# Altium PCB 农联网PCB.PcbDoc
Units mil, origin at the board's own origin, x right, y up, seen from the top; angles counter-clockwise.
Board outline 3779.53 x 2385.83 mil, 2 copper layers (Top Layer, Bottom Layer); 97 components, 101 nets, 412 pads, 55 vias.
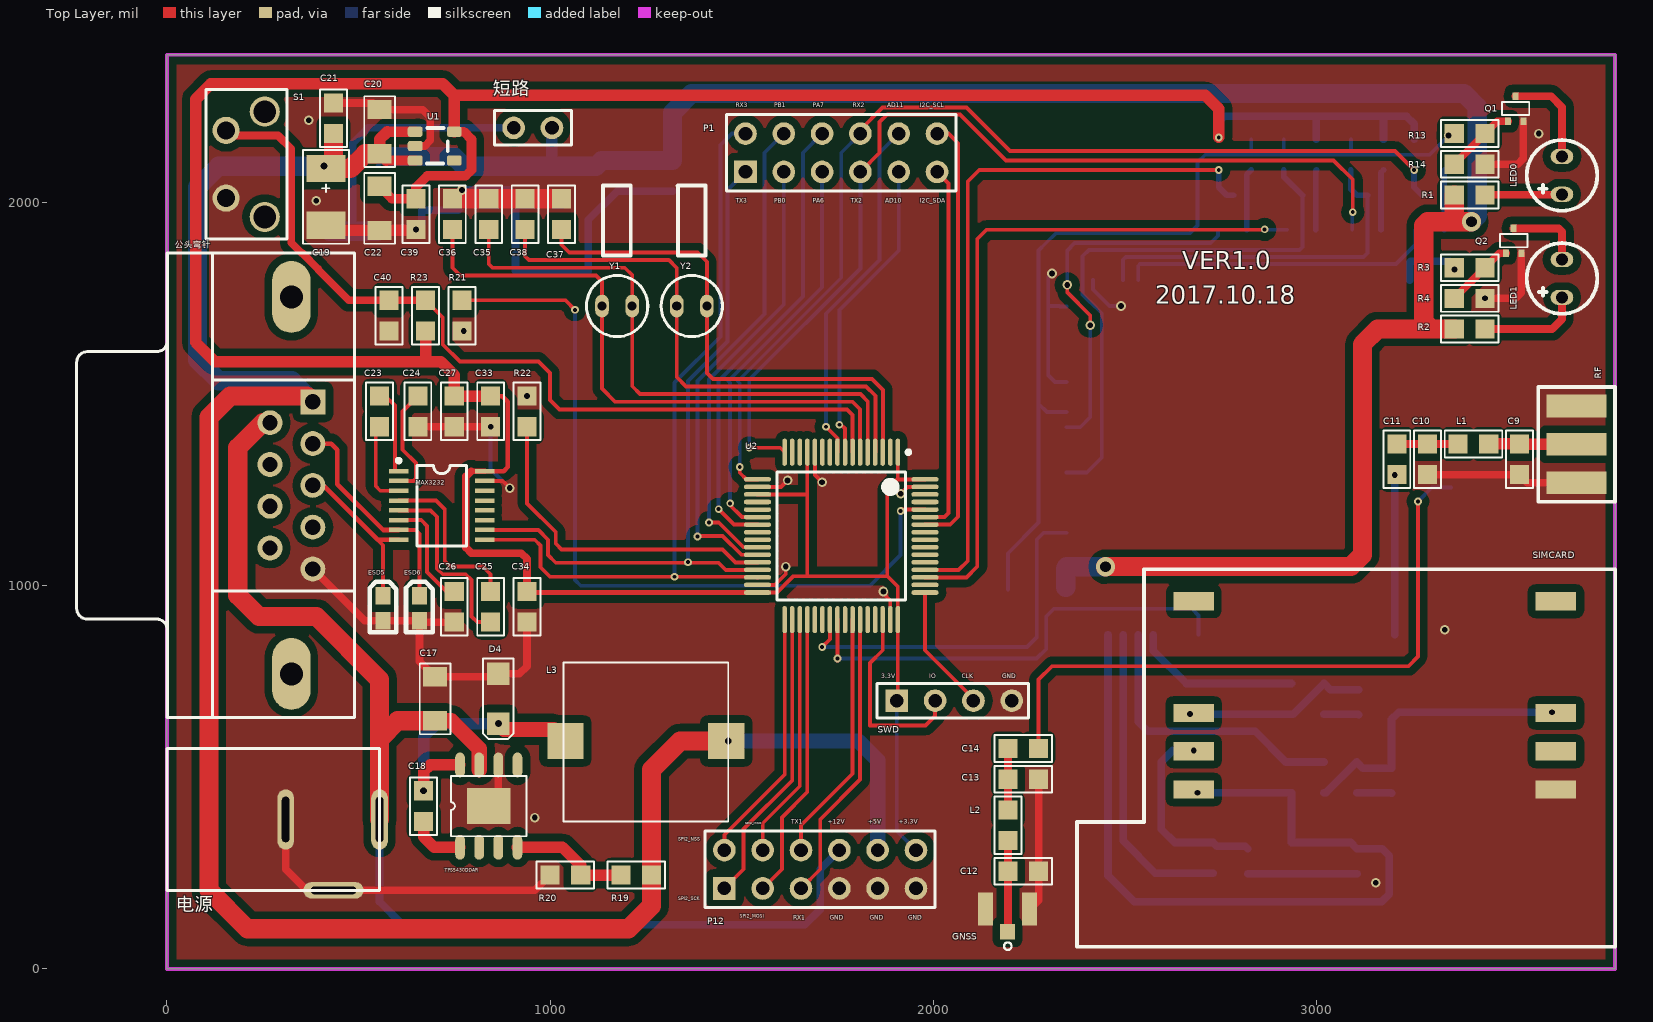
[diagram p0: Top Layer view]
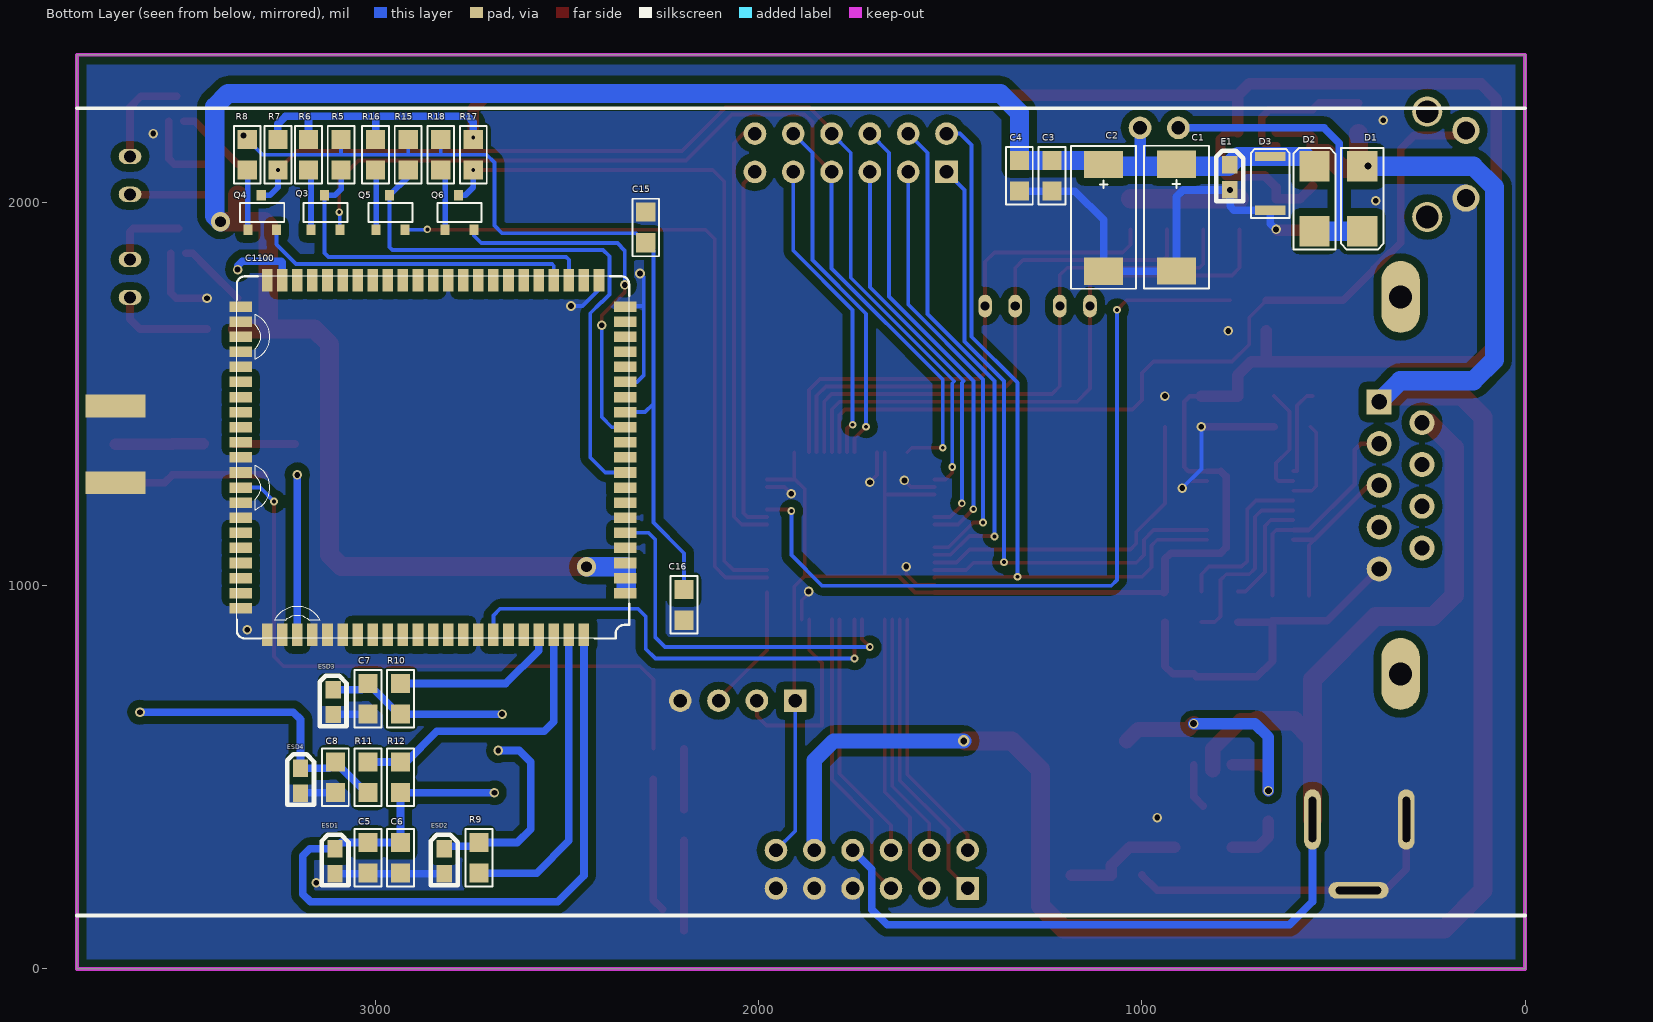
[diagram p1: Bottom Layer view, seen from below]

## Layer stack, top to bottom
Top Solder: solder mask 0.4, Solder Resist, Dk 3.5
Top Layer: signal copper 1.4
Dielectric 1: dielectric 12.6, FR-4, Dk 4.8
Bottom Layer: signal copper 1.4
Bottom Solder: solder mask 0.4, Solder Resist, Dk 3.5

## Board outline
0,0 3779.53,0 3779.53,2385.83 0,2385.83

## Design rules (kind name [scope] priority, off if disabled: settings)
Clearance GND [InPolygon] p1: gap=20 ignorepadtopadclearanceinfootprint=FALSE
Clearance STM32 [InComponent('U2','MicroUSB')] p2: gap=1 ignorepadtopadclearanceinfootprint=FALSE
Clearance [All] p3: gap=8 ignorepadtopadclearanceinfootprint=FALSE
ComponentClearance [All] p1: gap=0 collisioncheckmode=3 verticalgap=0 showdistances=FALSE
HoleSize [All] p1: absolutevalues=TRUE maxlimit=120 minlimit=1 maxpercent=80.000 minpercent=20.000
HoleToHoleClearance [All] p1: gap=5 allowstackedmicrovias=TRUE
MinimumSolderMaskSliver [All] p1: minsoldermaskwidth=5
PlaneConnect [All] p1: planeconnectstyle=Direct reliefexpansion=20 reliefentries=4 reliefconductorwidth=10 reliefairgap=10
PolygonConnect [All] p1: connectstyle=Direct reliefconductorwidth=10 reliefentries=4 polygonreliefangle="90 Angle" airgapwidth=10
RoutingVias [All] p1: holewidth=18 width=25 viastyle="Through Hole" minholewidth=10 minwidth=10 maxholewidth=28 maxwidth=60
SilkToSilkClearance [All] p1: silktosilkclearance=0
SilkToSolderMaskClearance [IsPad] p1: minsilkscreentomaskgap=0 clearancetoexposedcopper=TRUE
SolderMaskExpansion [All] p1: expansion=4
Width [All] p1: maxlimit=50 minlimit=5 preferedwidth=10
23 further rules are at their usual default settings.

## Classes and differential pairs
component class 主控板原理图: C17 C18 C19 C20 C21 C22 C23 C24 C25 C26 C27 C33 C34 C35 C36 C37 C38 C39 C40 D4 ESD5 ESD6 L3 MAX3232 P1 P12 R19 R20 R21 R22 R23 S1 SWD TPS5430DDAR U1 U2 Y1 Y2 公头弯针 电源
component class 通讯板原理图: C1 C2 C3 C4 C5 C6 C7 C8 C9 C10 C11 C12 C13 C14 C15 C16 C1100 D1 D2 D3 E1 ESD1 ESD2 ESD3 ESD4 GNSS L1 L2 LED0 LED1 Q1 Q2 Q3 Q4 Q5 Q6 R1 R2 R3 R4 R5 R6 R7 R8 R9 R10 R11 R12 R13 R14 R15 R16 R17 R18 RF SIMCARD 短路

## Components (designator, comment, footprint, x,y, rotation, side; value= is the part's Value field where it differs from the comment)
C1 "477L" 钽电容(D) 905,2015.89 r270 bottom value=470uF/6.3V
C2 "477L" 钽电容(D) 1095,2015 r270 bottom value=470uF/6.3V
C3 "104" 0805 1235,2070 r270 bottom value=0.1uF
C4 "33" 0805 1320,2070 r270 bottom value=33pF
C5 "104" 0805 3020,290 r270 bottom value=0.1uF
C6 "225" 0805 2935,290 r270 bottom value=2.2uF
C7 "33" 0805 3020,705 r90 bottom value=33pF
C8 "33" 0805 3105,500 r90 bottom value=33pF
C9 "NC" 0805 3530,1330 r90 top
C10 "NC" 0805 3290,1330 r90 top
C11 "27" 0805 3210,1330 r270 top value=27pF
C12 "NC" 0805 2235,255 r180 top
C13 "NC" 0805 2235,495 r180 top
C14 "27" 0805 2235,575 r0 top value=27pF
C15 "104" 0805 2295,1935 r270 bottom value=0.1uF
C16 "475" 0805 2195,950 r90 bottom value=4.7uF
C17 "GRM31CR61E106KA12L" 1206 700,705 r90 top value=10uF/25V
C18 "C0805C103K5RACTU" 0805 670,425 r90 top value=10nF/50V
C19 "6TPE220MAZB" 钽电容(B) 415,2015 r270 top value=220uF
C20 "C1206-10uF" 1206 555,2185 r90 top value=10uF
C21 "104" 0805 435,2220 r270 top value=0.1uf
C22 "C1206-47uF" 1206 555,1985 r270 top value=47uF
C23 "104" 0805 555,1455 r90 top value=0.1uF
C24 "104" 0805 655,1455 r90 top value=0.1uF
C25 "104" 0805 845,945 r90 top value=0.1uF
C26 "104" 0805 750,945 r90 top value=0.1uF
C27 "104" 0805 750,1455 r90 top value=0.1uF
C33 "104" 0805 845,1455 r270 top value=0.1uF
C34 "104" 0805 940,945 r270 top value=0.1uF
C35 "22" 0805 840,1970 r270 top value=22pF
C36 "22" 0805 745,1970 r270 top value=22pF
C37 "15" 0805 1030,1970 r90 top value=15pF
C38 "15" 0805 935,1970 r90 top value=15pF
C39 "104" 0805 650,1970 r90 top value=0.1uF
C40 "104" 0805 580,1705 r270 top value=0.1uF
C1100 "C1100" C1100 2880,1320 r90 bottom
D1 "1N4007" M7 425,2010 r270 bottom
D2 "1N5819" M7 550,2010 r90 bottom
D3 "ZMM5V1" ZMM5V1 665,2050 r90 bottom
D4 "SS24FL" SS24fl 865,720 r270 top
E1 "RSB6.8S" 0603 765,2065 r90 bottom
ESD1 "SZESD7361HT1G" 0603 3100,279.8 r90 bottom
ESD2 "SZESD7361HT1G" 0603 2815,279.8 r90 bottom
ESD3 "SZESD7361HT1G" 0603 3105,695 r90 bottom
ESD4 "SZESD7361HT1G" 0603 3190,490 r90 bottom
ESD5 "SZESD7361HT1G" 0603 570,940 r90 top
ESD6 "SZESD7361HT1G" 0603 665,940 r90 top
GNSS "IPX" IPX 2190,150 r270 top
L1 "0R" 0805 3410,1370 r180 top
L2 "NC" 0805 2195,375 r90 top
L3 "SDR1105-220ML" inductor 1250,595 r90 top value=22uH
LED0 "RED直插" LED 3641,2071 r90 top
LED1 "GREEN直插" LED 3641,1802 r90 top
MAX3232 "MAX3232" MAX3232 717,1216.13 r0 top
P1 "Header 6X2" HDR6*2 1760,2130 r0 top
P12 "Header 6X2" HDR6*2 1705,260 r0 top
Q1 "DTC114EEt1" DTC114EEt1 3520,2245 r0 top
Q2 "DTC114EEt1" DTC114EEt1 3515,1900 r0 top
Q3 "S8050" NPN 3130,1975 r180 bottom
Q4 "S8050" NPN 3295,1975 r180 bottom
Q5 "S8050" NPN 2960,1975 r180 bottom
Q6 "S8050" NPN 2780,1975 r180 bottom
R1 "1K" 0805 3400,2020 r180 top
R2 "1K" 0805 3400,1670 r180 top
R3 "1K" 0805 3400,1830 r0 top
R4 "10K" 0805 3400,1750 r180 top
R5 "10K" 0805 3090,2125 r90 bottom
R6 "4.7K" 0805 3175,2125 r270 bottom
R7 "10K" 0805 3255,2125 r90 bottom
R8 "4.7K" 0805 3335,2125 r270 bottom
R9 "22R" 0805 2730,290 r270 bottom
R10 "22R" 0805 2935,705 r90 bottom
R11 "22R" 0805 3020,500 r270 bottom
R12 "NC" 0805 2935,500 r270 bottom
R13 "1K" 0805 3400,2180 r0 top
R14 "10K" 0805 3400,2100 r180 top
R15 "10K" 0805 2915,2125 r90 bottom
R16 "4.7K" 0805 3000,2125 r270 bottom
R17 "10K" 0805 2745,2125 r90 bottom
R18 "4.7K" 0805 2830,2125 r270 bottom
R19 "10K" 0805 1225,245 r0 top
R20 "3.24K" 0805 1040,245 r0 top
R21 "1K" 0805 770,1705 r270 top
R22 "1K" 0805 940,1455 r90 top
R23 "10K" 0805 675,1705 r270 top
RF "SMA" SMA-2 3679,1374 r90 top
S1 "SW-PB" key 205,2100 r270 top
SIMCARD "SIM-ACARD" SIMCARD 2810,568 r90 top
SWD "Header 4" SWD 2055,700 r0 top
TPS5430DDAR "TPS5430DDAR" TPS5430 840,425 r90 top
U1 "SPX3819" SOT-23-5 700,2145 r270 top
U2 "STM32F103RBT6" STM32f103RBT6 1760,1130 r270 top
Y1 "8M" XTAL-B 1175,1730 r180 top
Y2 "32.768k" XTAL-B 1370,1730 r180 top
公头弯针 "RS232公头弯针" RS232 325,1261.93 r270 top
电源 "DUANZI" DUANZI 432.5,297.5 r0 top
短路 "Header 2" HEDX2 955,2195 r180 top

## Footprints (in the part's own frame and the unit in brackets; to place one, negate y for a bottom-side part, rotate by r counter-clockwise, add the part's x,y. Pads: shape width x height; smd on the part's side, far side on the other; paste and mask are expansions set on the pad)
0603 [mil]
  rect 45x40 smd: 1(-31.3,5.87) 2(33.7,5.87)
  silkscreen extent -61,-29 70,41
0805 [mil]
  rect 50x50 smd: 1(-40,0) 2(40,0)
  silkscreen extent -75,-35 75,35
1206 [mil]
  rect 50x62.99 smd: 1(-57.5,0) 2(57.5,0)
  silkscreen extent -92,-40 92,40
C1100 [mm]
  rect 0.7x1.5 smd mask+0.05: 1(-8.619,-13.512) 2(-7.619,-13.512) 3(-6.619,-13.512) 4(-5.619,-13.512) 5(-4.619,-13.512) 6(-3.619,-13.512) 7(-2.619,-13.512) 8(-1.619,-13.512) 9(-0.619,-13.512) 10(0.381,-13.512) 11(1.381,-13.512) 12(2.381,-13.512) 13(3.381,-13.512) 14(4.381,-13.512) 15(5.381,-13.512) 16(6.381,-13.512) 17(7.381,-13.512) 18(8.381,-13.512) 19(9.381,-13.512) 20(10.381,-13.512) 44(10.381,11.988) 45(9.381,11.988) 46(8.381,11.988) 47(7.381,11.988) 48(6.381,11.988) 49(5.381,11.988) 50(4.381,11.988) 51(3.381,11.988) 52(2.381,11.988) 53(1.381,11.988) 54(0.381,11.988) 55(-0.619,11.988) 56(-1.619,11.988) 57(-2.619,11.988) 58(-3.619,11.988) 59(-4.619,11.988) 60(-5.619,11.988) 61(-6.619,11.988) 62(-7.619,11.988) 63(-8.619,11.988) 64(-9.619,11.988)
  rect 1.5x0.7 smd mask+0.05: 21(12.131,-11.762) 22(12.131,-10.762) 23(12.131,-9.762) 24(12.131,-8.762) 25(12.131,-7.762) 26(12.131,-6.762) 27(12.131,-5.762) 28(12.131,-4.762) 29(12.131,-3.762) 30(12.131,-2.762) 31(12.131,-1.762) 32(12.131,-0.762) 33(12.131,0.238) 34(12.131,1.238) 35(12.131,2.238) 36(12.131,3.238) 37(12.131,4.238) 38(12.131,5.238) 39(12.131,6.238) 40(12.131,7.238) 41(12.131,8.238) 42(12.131,9.238) 43(12.131,10.238) 65(-11.369,10.238) 66(-11.369,9.238) 67(-11.369,8.238) 68(-11.369,7.238) 69(-11.369,6.238) 70(-11.369,5.238) 71(-11.369,4.238) 72(-11.369,3.238) 73(-11.369,2.238) 74(-11.369,1.238) 75(-11.369,0.238) 76(-11.369,-0.762) 77(-11.369,-1.762) 78(-11.369,-2.762) 79(-11.369,-3.762) 80(-11.369,-4.762) 81(-11.369,-5.762) 82(-11.369,-6.762) 83(-11.369,-7.762) 84(-11.369,-8.762) 85(-11.369,-9.762) 86(-11.369,-10.762)
  silkscreen extent -11.62,-13.76 12.38,12.24
DTC114EEt1 [mil]
  rect 15.75x19.68 smd: 1(-20,-32.5) 2(20,-32.5) 3(-0.5,32.5)
  silkscreen extent -36,-16 36,18
DUANZI [mm]
  oval 1.1x4 hole 0.5 slot 3 at 90 deg: 1(-3.111,2.349) 2(3.112,2.349)
  oval 4x1.1 hole 0.5 slot 3 at 0 deg: 1(0.064,-2.349)
  silkscreen extent -10.99,-2.35 3.11,7.05
HDR6*2 [mm]
  rect 1.5x1.5 hole 0.9: 1(-6.35,-1.27)
  round 1.5 hole 0.9: 2(-6.35,1.27) 3(-3.81,-1.27) 4(-3.81,1.27) 5(-1.27,-1.27) 6(-1.27,1.27) 7(1.27,-1.27) 8(1.27,1.27) 9(3.81,-1.27) 10(3.81,1.27) 11(6.35,-1.27) 12(6.35,1.27)
  silkscreen extent -7.62,-2.54 7.62,2.54
HEDX2 [mm]
  round 1.5 hole 0.9: 1(-1.27,0) 2(1.27,0)
  silkscreen extent -2.58,-1.15 2.54,1.14
inductor [mm]
  rect 2.4x2.4 smd: 1(0,5.334) 2(0,-5.334)
  silkscreen extent -5.33,-5.46 5.21,5.46
IPX [mm]
  rrect0% 1x1 smd: 1(1.348,0.102)
  rect 2.2x1 smd: 2(-0.152,1.552) 2(-0.152,-1.348)
  silkscreen extent 2.05,-0.13 2.55,0.36
key [mm]
  round 1.8 hole 1.2: 1(-2.248,-1.283) 2(2.248,-1.283)
  round 2 hole 1.5: 3(-3.492,1.283) 4(3.492,1.283)
  silkscreen extent -4.97,-2.63 4.97,2.76
LED [mm]
  oval 1x1.5 hole 0.8: 1(-1.254,0) 2(1.254,0)
  silkscreen extent -2.34,-2.34 2.34,2.34
M7 [mm]
  rect 2x2 smd: 1(-2.159,0) 2(2.159,0)
  silkscreen extent -3.37,-1.4 3.37,1.4
MAX3232 [mm]
  rect 1.3x0.3 smd: 1(-2.845,2.108) 2(-2.845,1.458) 3(-2.845,0.808) 4(-2.845,0.158) 5(-2.845,-0.492) 6(-2.845,-1.142) 7(-2.845,-1.792) 8(-2.845,-2.442) 9(2.855,-2.442) 10(2.855,-1.792) 11(2.855,-1.142) 12(2.855,-0.492) 13(2.855,0.158) 14(2.855,0.808) 15(2.855,1.458) 16(2.855,2.108)
  silkscreen extent -2.97,-2.84 1.66,2.93, body extent -1.77,-2.95 1.78,2.61, height 1.27
NPN [mil]
  rect 23.62x27.56 smd: 1(-38.5,-46) 2(36.5,-46) 3(-3.5,44)
  silkscreen extent -58,-26 56,24
RS232 [mil]
  rrect0% 65x65 hole 40: 1(-218.11,55.91)
  round 65 hole 40: 2(-109.05,55.91) 3(0,55.91) 4(109.06,55.91) 5(218.11,55.91) 6(-163.58,-55.91) 7(-54.53,-55.91) 8(54.53,-55.91) 9(163.58,-55.91)
  oval 187.4x100 hole 60: 10(491.93,0) 11(-491.93,0)
  silkscreen extent -606,-560 606,164
SIMCARD [mm]
  rect 1.2x2.7 smd: 1(-2.54,3.302) 2(0,3.302) 3(2.54,3.302) 4(9.944,3.302) 5(-2.54,-20.701) 6(0,-20.701) 7(2.54,-20.701) 8(9.944,-20.701)
  silkscreen extent -12.95,-24.64 12.07,11.05
SMA-2 [mm]
  rect 1.5x4 smd: 1(-0.127,0)
  rect 1.5x4 all layers, no hole: 2(-2.667,0) 2(2.413,0)
  silkscreen extent -3.94,-2.54 3.68,2.54
SOT-23-5 [mil]
  rrect50% 27x39 smd paste+1.5 mask+1.5: 1(-40,-52) 2(-2.5,-52) 3(35,-52) 4(35,50) 5(-40,50)
  silkscreen extent -50,-21 43,33, body extent -44,-50 40,52, height 10
SS24fl [mm]
  rect 1.5x1.5 smd: 1(-1.27,0) 2(2.032,0)
  silkscreen extent -2.29,-1.02 3.05,1.02
STM32f103RBT6 [mm]
  oval 1.8x0.3 smd: 1(-5.55,3.75) 2(-5.55,3.25) 3(-5.55,2.75) 4(-5.55,2.25) 5(-5.55,1.75) 6(-5.55,1.25) 7(-5.55,0.75) 8(-5.55,0.25) 9(-5.55,-0.25) 10(-5.55,-0.75) 11(-5.55,-1.25) 12(-5.55,-1.75) 13(-5.55,-2.25) 14(-5.55,-2.75) 15(-5.55,-3.25) 16(-5.55,-3.75) 33(5.55,-3.75) 34(5.55,-3.25) 35(5.55,-2.75) 36(5.55,-2.25) 37(5.55,-1.75) 38(5.55,-1.25) 39(5.55,-0.75) 40(5.55,-0.25) 41(5.55,0.25) 42(5.55,0.75) 43(5.55,1.25) 44(5.55,1.75) 45(5.55,2.25) 46(5.55,2.75) 47(5.55,3.25) 48(5.55,3.75)
  oval 0.3x1.8 smd: 17(-3.75,-5.55) 18(-3.25,-5.55) 19(-2.75,-5.55) 20(-2.25,-5.55) 21(-1.75,-5.55) 22(-1.25,-5.55) 23(-0.75,-5.55) 24(-0.25,-5.55) 25(0.25,-5.55) 26(0.75,-5.55) 27(1.25,-5.55) 28(1.75,-5.55) 29(2.25,-5.55) 30(2.75,-5.55) 31(3.25,-5.55) 32(3.75,-5.55) 49(3.75,5.55) 50(3.25,5.55) 51(2.75,5.55) 52(2.25,5.55) 53(1.75,5.55) 54(1.25,5.55) 55(0.75,5.55) 56(0.25,5.55) 57(-0.25,5.55) 58(-0.75,5.55) 59(-1.25,5.55) 60(-1.75,5.55) 61(-2.25,5.55) 62(-2.75,5.55) 63(-3.25,5.55) 64(-3.75,5.55)
  silkscreen extent -5.67,-4.25 4.25,4.58, body extent -5,-5 5,5, height 1.6
SWD [mm]
  rect 1.5x1.5 hole 0.9: 1(-3.81,0)
  round 1.5 hole 0.9: 2(-1.27,0) 3(1.27,0) 4(3.81,0)
  silkscreen extent -5.12,-1.15 4.92,1.14
TPS5430 [mil]
  oval 65x25 smd: 1(-107.36,75) 2(-107.36,25) 3(-107.36,-25) 4(-107.36,-75) 5(107.36,-75) 6(107.36,-25) 7(107.36,25) 8(107.36,75)
  rect 94.49x114.17 smd: 9(0,0)
  silkscreen extent -79,-98 79,98
XTAL-B [mm]
  oval 0.9x1.5 hole 0.6: 1(1,0) 2(-1,0)
  silkscreen extent -2.03,-8 2.03,2.03
ZMM5V1 [mm]
  rect 0.6x2 smd: 1(-1.778,0) 2(1.778,0)
  silkscreen extent -2.29,-1.27 2.29,1.27
钽电容(B) [mm]
  rect 1.8x2.6 smd: 1(-1.882,0) 2(1.882,0)
  silkscreen extent -3.11,-1.52 3.11,1.52
钽电容(D) [mm]
  rect 1.8x2.6 smd: 1(-2.136,-0.127) 2(4.93,-0.127)
  silkscreen extent -3.37,-2.29 6.1,2.03

## Part data
C1 C2 C19: library part "Cap Pol1", "Polarized Capacitor (Radial)", LatestRevisionDate=17-Jul-2002, LatestRevisionNote="Re-released for DXP Platform.", PackageDescription="Polarized Capacitor (Radial); 2 Leads", PackageReference=RB7.6-15, Published=8-Jun-2000, Publisher="Altium Limited"
C3 C4 C5 C6 C7 C8 C9 C10 C11 C12 C13 C14 C15 C16 C17 C18 C23 C24 C25 C26 C27 C33 C34 C35 C36 C37 C38 C40: library part Cap, "Capacitor", LatestRevisionDate=17-Jul-2002, LatestRevisionNote="Re-released for DXP Platform.", PackageReference=RAD-0.3, Published=8-Jun-2000, Publisher="Altium Limited"
  C3 C4 C5 C6 C7 C8 C9 C10 C11 C12 C13 C14 C15 C16 C17 C18 C23 C24 C25 C26 C27 C40: PackageDescription="Radial Cap, Thru-Hole; 2 Leads; 0.3 in Pin Spacing"
C20 C22: library part C100uF
C21 C39: library part C0.1uF
D1: library part "Diode 1N4007", "1 Amp General Purpose Rectifier", Code_JEDEC=DO-204-AL, ComponentLink1Description="Manufacturer Link", ComponentLink1URL=http://www.fairchildsemi.com/, ComponentLink2Description=Datasheet, ComponentLink2URL=http://www.fairchildsemi.com/ds/1N%2F1N4001.pdf, DatasheetVersion=1998, LatestRevisionDate=17-Jul-2002, LatestRevisionNote="Re-released for DXP Platform.", PackageDescription="Diode, Axial; Body 5.2 x 2.7 mm (LxDia. max), Lead Dia. 0.86 mm (max)", PackageReference=DO-41, PackageVersion=Aug-1999, Published=8-Jun-2000, Publisher="Altium Limited"
D2: library part "Diode 1N5402", "3 Amp General Purpose Rectifier", ComponentLink1Description="Manufacturer Link", ComponentLink1URL=http://www.fairchildsemi.com/, ComponentLink2Description=Datasheet, ComponentLink2URL=http://www.fairchildsemi.com/ds/1N%2F1N5400.pdf, DatasheetVersion=1998, LatestRevisionDate=17-Jul-2002, LatestRevisionNote="Re-released for DXP Platform.", PackageDescription="Diode, Axial; Body 9.5 x 5.6 mm (LxDia. max), Lead Dia. 1.32 mm (max)", PackageReference=DO-201AD, PackageVersion=Aug-1999, Published=8-Jun-2000, Publisher="Altium Limited"
D3: library part "Diode 10TQ035", "Schottky Rectifier", ComponentLink1Description="Manufacturer Link", ComponentLink1URL=http://www.irf.com/, ComponentLink2Description=Datasheet, ComponentLink2URL=http://www.irf.com/product-info/datasheets/data/10tq.pdf, DatasheetVersion=PD-2.057B, LatestRevisionDate=17-Jul-2002, LatestRevisionNote="Re-released for DXP Platform.", Note="Terminal 2 is the TAB and is electrically connected to the cathode", PackageDescription="TO, Thru-Hole, Vertical, Heatsink Mounted; 3 In-Line Leads (1 Absent); Pitch 2.54 mm", PackageReference=TO-220AC, PackageVersion=Feb-1998, Published=8-Jun-2000, Publisher="Altium Limited"
D4: library part "D Schottky", "Schottky Diode", Code_JEDEC=DO-214-AA, LatestRevisionDate=17-Jul-2002, LatestRevisionNote="Re-released for DXP Platform.", PackageDescription="DO-214-AA/SMB; 2 C-Bend Leads; Body 5.3 x 3.6 mm, inc. leads (LxW)", PackageReference=SMB, Published=8-Jun-2000, Publisher="Altium Limited"
E1 ESD1 ESD2 ESD3 ESD4 ESD5 ESD6: library part "D Zener", "Zener Diode", LatestRevisionDate=17-Jul-2002, LatestRevisionNote="Re-released for DXP Platform.", PackageDescription="Diode, Thru-Hole; 2 Leads; 0.7 in Pin Spacing", PackageReference=DIODE-0.7, Published=8-Jun-2000, Publisher="Altium Limited"
GNSS RF: library part SMB, "SMB Straight Connector", LatestRevisionDate=17-Jul-2002, LatestRevisionNote="Re-released for DXP Platform.", Publisher="Altium Limited"
L1 L2 L3: library part Inductor, "Inductor", Code_IEC=1005, Code_JEITA=0402, LatestRevisionDate=29-May-2009, LatestRevisionNote="IPC-7351 Footprint Added.", PackageDescription="Chip Inductor", PackageReference=0402-A, Published=8-Jun-2000, Publisher="Altium Limited"
LED0 LED1: library part LED0, "Typical INFRARED GaAs LED", LatestRevisionDate=08-Jul-2005, LatestRevisionNote="Mech Layer 1 removed.", PackageDescription="LED; 2 Leads", PackageReference=LED-0, Published=8-Jun-2000, Publisher="Altium Limited"
MAX3232: library part MAX232
P1 P12: "Header, 6-Pin, Dual row", LatestRevisionDate=17-Jul-2002, LatestRevisionNote="Re-released for DXP Platform.", Publisher="Altium Limited"
Q1 Q2 Q3 Q4 Q5 Q6: library part NPN, "NPN Bipolar Transistor", Code_JEDEC=TO-226-AA, LatestRevisionDate=17-Jul-2002, LatestRevisionNote="Re-released for DXP Platform.", PackageDescription="TO, Flat Index; 3 In-Line, Axial Leads; Body Dia. 4.8mm; Leads 0.55 x 0.51 mm (max)", PackageReference=TO-226-AA, Published=8-Jun-2000, Publisher="Altium Limited"
R1 R2 R3 R4 R5 R6 R7 R8 R9 R10 R11 R12 R13 R14 R15 R16 R17 R18 R19 R20 R21 R22 R23: library part Res1, "Resistor", LatestRevisionDate=17-Jul-2002, LatestRevisionNote="Re-released for DXP Platform.", PackageDescription="Axial Device, Thru-Hole; 2 Leads; 0.3 in Pin Spacing", PackageReference=AXIAL-0.3, Published=8-Jun-2000, Publisher="Altium Limited"
S1: "Switch", LatestRevisionDate=17-Jul-2002, LatestRevisionNote="Re-released for DXP Platform.", PackageDescription="Switch; 2 Leads", PackageReference=SPST-2, Published=24-Mar-1999, Publisher="Altium Limited"
SIMCARD: library part SIMCARD
SWD: "Header, 4-Pin", LatestRevisionDate=17-Jul-2002, LatestRevisionNote="Re-released for DXP Platform.", Publisher="Altium Limited"
TPS5430DDAR: library part TPS5430
U2: "STM32 ARM-based 32-bit MCU with 128 Kbytes Flash, 64-pin LQFP, Industrial Temperature", ComponentLink1Description="Manufacturer Link", ComponentLink1URL=www.st.com/stm32, ComponentLink2Description=Datasheet, ComponentLink2URL=http://www.st.com/stonline/products/literature/ds/13587.pdf, DatasheetVersion="rev6, Mar-2008", PackageDescription="64-Pin Low-Profile Quad Flat Pack, 10 x 10 mm Body, 0.5 mm Pitch (LQFP64)", PackageReference=LQFP64, PackageVersion=Mar-2008, Published=30-May-2008, Publisher="Altium Limited"
Y1 Y2: library part XTAL, "Crystal Oscillator", LatestRevisionDate=17-Jul-2002, LatestRevisionNote="Re-released for DXP Platform.", PackageReference=R38, Published=8-Jun-2000, Publisher="Altium Limited"
公头弯针: library part "D Connector 9", "Receptacle Assembly, 9 Position, Right Angle", PackageDocument=O, DatasheetDocument=1-Sep-1999, Gender=Receptacle, LatestRevisionDate=17-Jul-2002, LatestRevisionNote="Re-released for DXP Platform.", Orientation="Right Angle", PackageReference=788750, Positions=9, Published=15-Jun-2001, Publisher="Altium Limited"
电源: library part "Header 2", "Header, 2-Pin", LatestRevisionDate=17-Jul-2002, LatestRevisionNote="Re-released for DXP Platform.", Publisher="Altium Limited"
短路: "Header, 2-Pin", LatestRevisionDate=17-Jul-2002, LatestRevisionNote="Re-released for DXP Platform.", Publisher="Altium Limited"

## Via types
v1: diameter 25, hole 15, Top Layer to Bottom Layer, 27 vias
v2: diameter 20, hole 10, Top Layer to Bottom Layer, 20 vias
v3: diameter 30, hole 18, Top Layer to Bottom Layer, 2 vias
v4: diameter 25, hole 18, Top Layer to Bottom Layer, 2 vias
v5: diameter 25, hole 16, Top Layer to Bottom Layer, 2 vias
v6: diameter 50, hole 28, Top Layer to Bottom Layer, 2 vias

## Nets (pads, with @x,y where several pads share a name; then routed paths per layer and width w, separated by ;. In a path a pad name is that pad's centre, name@x,y a point inside that pad or via, vN(x,y) a via of type N, cw(c..) or ccw(c..) an arc to the next point about the centre after c; other vN are vias at no path point)
232RX: ESD6.2 MAX3232.7 公头弯针.2 | length 590.5
  Top Layer w10: MAX3232.7 649.41,1145.59 659.13,1135.87 ESD6.2
  Top Layer w12: 公头弯针.2 429.02,1370.98 445,1355 445,1265 564.41,1145.59 MAX3232.7
232TX: ESD5.2 MAX3232.8 公头弯针.3 | length 435
  Top Layer w10: 550,1120 564.13,1105.87 ESD5.2
  Top Layer w12: 公头弯针.3 408.07,1261.93 550,1120 MAX3232.8
+3.3V: C22.1 C27.2 C33.1 C34.1 C39.2 MAX3232.16 P12.12 R6.1 R7.2 R16.1 R17.2 R23.2 SWD.1 U1.5 U2.1 U2.13 U2.19 U2.32 U2.48 U2.64 | length 8978.9
  Top Layer w10: U2.32 1592.36,982.36 1635,1025 1671.42,1025 ; U2.19 1671.42,1238.27 ; U2.13 1671.42,1238.27 ; SWD.1 1907.64,702.64 U2.48 1907.64,997.36 1880,1025 ; U2.1 1907.64,1280 ; U2.64 1910,1277.64 1907.64,1280 ; 1671.42,1025 1880,1025 ; 1671.42,1025 1671.42,1238.27 ; 1880,1025 1880,1252.36 1907.64,1280
  Top Layer w12: MAX3232.16 879.13,1299.13 890,1310 890,1480 875,1495 C33.1 ; C34.1@942.64,982.36 U2.32
  Top Layer w15: 794.13,1299.13 MAX3232.16
  Top Layer w20: 794.13,1299.13 780,1285 780,1100 795,1085 925,1085 940,1070 C34.1 C34.1@942.64,982.36
  Top Layer w25: C22.1 587.5,2010 C39.2 650,2040 680,2070 780,2070 795,2085 795,2165 775,2185 U1.5
  Top Layer w30: R23.2 675,1590 680,1585 ; U1.5 750,2280 ; C33.1 C27.2 750,1550 715,1585 680,1585 ; v2(2745,2170) 2745,2245 2710,2280 750,2280 ; 680,1585 125,1585 75,1635 75,2270 115,2310 720,2310 750,2280
  Bottom Layer w10: SWD.1 1905,360 P12.12
  Bottom Layer w20: R17.2 v2(2745,2170) 2745,2210 2760,2225 3000,2225 ; R16.1 3000,2225 ; R6.1 3175,2220 3170,2225 ; R7.2 3255,2205 3235,2225 3170,2225 ; 3000,2225 3170,2225
+5V: C19.1 C20.1 C21.2 D1.1 L3.2 P12.10 R19.2 U1.1 U1.3 公头弯针.1 | length 5652.2
  Top Layer w27: C20.1@572.5,2110 U1.3 ; 575,2185 U1.1
  Top Layer w30: C20.1@572.5,2110 C20.1 555,2165 575,2185
  Top Layer w50: 公头弯针.1 365.94,1495 165,1495 110,1440 110,205 210,105 1205,105 1265,165 R19.2 1265,520 1340,595 L3.2 ; v3(410,2095) C19.1@420.89,2095 ; C21.2 435,2109.11 C19.1@420.89,2095 ; C20.1 517.5,2127.5 479.11,2089.11 C19.1 C19.1@420.89,2095
  Bottom Layer w40: v3(1465,595) 1805,595 1855,545 P12.10
  Bottom Layer w50: 公头弯针.1 325.94,1535 135,1535 80,1590 80,2040 135,2095 v3(410,2095) D1.1
+12V: C17.1 P12.8 TPS5430DDAR.7 公头弯针.6 电源.2 | length 3272.7
  Top Layer w10: 电源.2 电源.2@557.5,387.5
  Top Layer w40: C17.1 742.5,647.5 815,575 TPS5430DDAR.7 TPS5430DDAR.7@815,520
  Top Layer w50: 公头弯针.6 250.51,1425.51 185,1360 185,975 240,920 390,920 555,755 555,600 ; 电源.2 555,600 ; C17.1 602.5,647.5 555,600
  Bottom Layer w20: 电源.2 555,175 615,115 1665,115 1705,155 1705,260 P12.8
ADC_IN10: P1.9 U2.8 | length 799.8
  Top Layer w10: v2@1760,1420 1769.84,1410.16 U2.8
  Bottom Layer w10: v2(1755,1420) 1755,1719.54 1910,1874.54 P1.9
ADC_IN11: P1.10 U2.9 | length 922.7
  Top Layer w10: v2(1720,1415) 1750.16,1384.84 U2.9
  Bottom Layer w10: v2(1720,1415) 1720,1710 1860,1850 1860,2130 P1.10
ANT_GNSS: C14.2 C1100.56 | length 1701.8
  Top Layer w10: C14.2 2275,755 2310,790 3240,790 3265,815 v2(3265,1220)
  Bottom Layer w10: v2(3265,1220) 3301.26,1256.26 C1100.56
ANT_MAIN: C11.2 C1100.67 | length 416.9
  Bottom Layer w20: C1100.67 v1(3204.33,1289.33)
BOOT0: R21.1 U2.60 | length 2079.8
  Top Layer w10: R21.1 1040,1745 v2(1065,1720) ; v2(1915,1195) 1918.9,1198.9 U2.60
  Bottom Layer w10: v2(1065,1720) 1065,1015 1080,1000 1835,1000 1915,1080 v2(1915,1195)
BOOT1: R22.1 U2.28 | length 882.8
  Top Layer w10: R22.1 940,1215 1015,1140 1015,1110 1030,1095 1450,1095 1483.9,1061.1 U2.28
C1100_UART_RXD: C1100.23 Q3.3 R5.1 | length 948.9
  Bottom Layer w10: C1100.23 2495.67,1850.67 2503.13,1858.13 3123.13,1858.13 3133.5,1868.5 Q3.3
  Bottom Layer w15: R5.1 3090,2035 3106,2019 Q3.3
C1100_UART_TXD: C1100.24 Q4.2 | length 822.1
  Bottom Layer w10: C1100.24 2535.04,1835.04 2540,1840 2555.12,1840 2555.25,1840.13 3207.6,1840.13 3258.5,1891.03 Q4.2
GND: C1.2 C2.2 C3.2 C4.2 C5.2 C6.2 C7.1 C8.1 C9.1 C10.1 C12.1 C13.1 C15.1 C16.1 C17.2 C19.2 C20.2 C21.1 C22.2 C24.1 C26.1 C27.1 C33.2 C34.2 C35.1 C36.1 C37.2 C38.2 C39.1 C40.2 C1100.4 C1100.6 C1100.15 C1100.20 C1100.21 C1100.31 C1100.43 C1100.44 C1100.45 C1100.47 C1100.48 C1100.54 C1100.55 C1100.57 C1100.58 C1100.64 C1100.65 C1100.66 C1100.68 C1100.69 C1100.70 C1100.79 D3.1 D4.1 E1.1 ESD1.1 ESD2.1 ESD3.1 ESD4.1 ESD5.1 ESD6.1 GNSS.2 MAX3232.15 P12.7 P12.9 P12.11 Q1.2 Q2.2 R4.1 R14.1 R20.1 R21.2 R22.2 RF.2 S1.2 SIMCARD.5 SWD.4 TPS5430DDAR.6 TPS5430DDAR.9 U1.2 U2.12 U2.18 U2.31 U2.47 U2.63 公头弯针.5 电源.1 | length 6941
  Top Layer w10: C39.1@647.5,1927.5 v1(650,1930) ; MAX3232.15 876.46,1273.54 v1(895,1255) ; U2.31 1586.59,1002.05 1615,1030.46 v1(1615,1050) ; U2.18 1602.95,1257.95 v1(1620,1275) ; U2.12 1691.1,1288.9 v1(1710,1270) ; v1(1870,985) 1870,980 1887.95,962.05 U2.47 ; v1(1915,1240) 1932.95,1257.95 U2.63
  Top Layer w20: 电源.1@310,390 310,260 365,205 435,205 960,205 R20.1 ; 公头弯针.5 516.02,908.7 ESD5.1 ESD6.1 ; C21.1 537.5,2260 C20.2 667.5,2242.5 687.5,2222.5 687.5,2162.5 672.5,2147.5 U1.2 ; C24.1 C27.1 v1(845,1415) ; C26.1 662.83,905 ESD6.1 ; TPS5430DDAR.9 865,450 TPS5430DDAR.6 ; C34.2 940,790 920,770 D4.1 857.5,762.5 C17.2 659.13,803.37 ESD6.1 ; GNSS.2@2251.09,156 2275,179.91 C12.1 C13.1 ; C10.1 C9.1 3551,1269 RF.2@3679,1269 ; v1(3440,1750) 3520,1750 3535,1765 Q2.2 ; R14.1 3525,2100 3540,2115 Q1.2
  Top Layer w30: C19.2 428.39,1927.5 C22.2 C39.1@647.5,1927.5
  Top Layer w50: C36.1 C38.2 C37.2
  Bottom Layer w10: v1(845,1415) 845,1305 v1(895,1255) ; v1(2310,1815) 2300,1805 2300,1730 ; C1100.15 2318.15,1531.85 2300,1550 2300,1730 ; C1100.20 2331.3,1728.7 2330,1730 2300,1730 ; C1100.21 2416.93,1773.07 2460,1730 v1(2490,1730)
  Bottom Layer w20: v1(650,1930) 665,1945 D3.1 760,1980 770,1990 v1(770,2032.83) 892.17,2032.83 910,2015 C1.2 910.89,1820.89 C2.2 1100,1955 1175,2030 C3.2 C4.2 ; ESD2.1 ESD1.1 ; C7.1 3109.57,665 ESD3.1 ; C8.1 3194.57,460 ESD4.1
  other v1: 3155,225 960,395 3335,885 940,1495 775,1665 390,2005 3580,2180 370,2215
I2C1_SCL: P1.12 U2.58 | length 1135.3
  Top Layer w10: U2.58 2044.53,1159.53 2065,1180 2065,2155 2040,2180 P1.12
I2C1_SDA: P1.11 U2.59 | length 968.4
  Top Layer w10: U2.59 2029.21,1179.21 2040,1190 2040,2050 P1.11
MCU_POWER_ON: C1100.5 U2.39 | length 990.9
  Top Layer w10: v2(1710,840) 1730.47,860.47 U2.39
  Bottom Layer w10: v2(1710,840) 2245,840 2270,865 2270,1120 2288.15,1138.15 C1100.5
MCU_RES: C1100.80 U2.40 | length 1209.8
  Top Layer w10: v2@1750.16,805.16 U2.40
  Bottom Layer w10: v2(1750,810) 2270,810 2295,835 2295,920 2315,940 2675,940 2692.52,922.48 C1100.80
MCU_SLEEP_CTR: Q5.2 U2.51 | length 1822.1
  Top Layer w10: U2.51 2086.73,1021.73 2115,1050 2115,1905 2139,1929 v2@2865,1929
  Bottom Layer w10: v2(2865,1930) 2866,1929 Q5.2
MCU_SLEEP_RX: Q6.3 R17.1 U2.52 | length 1870.9
  Top Layer w10: U2.52 2066.42,1041.42 2090,1065 2090,2055 2120,2085 v2(2745,2085)
  Bottom Layer w15: v2(2745,2085) 2745,2040 2766,2019 Q6.3
MCU_UART1_RX: P12.5 U2.43 | length 765.4
  Top Layer w10: P12.5 1705,260 1705,390 1809.21,494.21 U2.43
MCU_UART1_TX: P12.6 U2.42 | length 657.2
  Top Layer w10: P12.6 1655,375 1789.53,509.53 U2.42
MCU_UART2_RX: P1.8 Q4.3 R7.1 U2.17 | length 2717
  Top Layer w10: v2(1495,1310) 1495,1295 1512.36,1277.64 U2.17 ; P1.8 1810,2190 1868,2248 2087,2248 2200,2135 3205,2135 v2(3255,2085)
  Bottom Layer w10: v2(1495,1310) 1495,1528.63 1490,1533.63 1760,1803.63 1760,2130 P1.8
  Bottom Layer w15: v2(3255,2085) 3255,2040 3276,2019 Q4.3
MCU_UART2_TX: P1.7 Q3.2 U2.16 | length 2528.3
  Top Layer w10: v2(1520,1360) 1600.87,1360 U2.16 ; P1.7 1860,2130 1860,2210 1880,2230 2070,2230 2190,2110 3045,2110 3095,2060 v2@3095,1980
  Bottom Layer w10: v2(1520,1360) 1520,1538.18 1810,1828.18 P1.7 ; Q3.2 3093.5,1973.5 v2(3095,1975)
MCU_UART3_RX: MAX3232.9 P1.2 U2.30 | length 2039.7
  Top Layer w10: MAX3232.9 960,1120 975,1105 975,1048.37 999.95,1023.42 v2(1325,1023.42) 1539.81,1023.42 U2.30
  Bottom Layer w10: v2(1325,1023.42) 1325,1530 1445,1650 1445,2150 1475,2180 P1.2
MCU_UART3_TX: MAX3232.10 P1.1 U2.29 | length 1859.1
  Top Layer w10: MAX3232.10 969.41,1145.59 995,1120 995,1080 1015,1060 1440,1060 1458.58,1041.42 U2.29
  Bottom Layer w10: v2(1360,1061.73) 1360,1534.54 1463,1637.54 1463,2033 P1.1
NET_STATUS: C1100.42 R3.1 | length 178.8
  Bottom Layer w20: C1100.42 3243.7,1843.7 3247.13,1847.13 3347.87,1847.13 3360,1835 v5(3360,1825)
NetC7_2: C7.2 ESD3.2 R10.1 SIMCARD.3 | length 470.8
  Bottom Layer w20: v1@2680,665 R10.1 2940,665 C7.2 3036.3,728.7 ESD3.2
  other v1: 2670,665
NetC8_2: C8.2 ESD4.2 R11.2 SIMCARD.7 | length 770
  Bottom Layer w20: R11.2 3025,460 C8.2 3121.3,523.7 ESD4.2 3195.87,650.87 3215,670 v1(3615,670)
NetC9_2: C9.2 L1.1 RF.1 | length 229.4
  Top Layer w20: C9.2 C9.2@3531,1369
  Top Layer w30: L1.1 C9.2 ; C9.2@3531,1369 RF.1
NetC10_2: C10.2 C11.1 L1.2 | length 160
  Top Layer w20: C11.1 C10.2 L1.2
NetC12_2: C12.2 GNSS.1 L2.1 | length 235
  Top Layer w20: GNSS.1@2195,100 C12.2 L2.1
NetC13_2: C13.2 C14.1 L2.2 | length 160
  Top Layer w20: L2.2 C13.2 C14.1
NetC18_1: C18.1 TPS5430DDAR.1 | length 146.3
  Top Layer w30: C18.1 670,345 697.36,317.64 TPS5430DDAR.1
NetC18_2: C18.2 D4.2 L3.1 TPS5430DDAR.8 | length 695.3
  Top Layer w30: v4(670,465) 670,515 687.36,532.36 TPS5430DDAR.8
  Top Layer w40: v4(865,640) 880,625 1010,625 L3.1
  Bottom Layer w30: v4(670,465) 670,605 705,640 v4(865,640)
NetC23_1: C23.1 MAX3232.3 | length 226.2
  Top Layer w10: C23.1@560,1415 545,1400 545,1260 557.05,1247.95 MAX3232.3
NetC23_2: C23.2 MAX3232.1 | length 231.2
  Top Layer w10: C23.2 570,1495 595,1470 595,1299.13 MAX3232.1
NetC24_2: C24.2 MAX3232.2 | length 293.7
  Top Layer w10: MAX3232.2 643.54,1273.54 650,1280 650,1320 615,1355 615,1455 C24.2
NetC25_1: C25.1 MAX3232.5 | length 495.6
  Top Layer w10: MAX3232.5 688.23,1196.77 705,1180 705,1045 720,1030 780,1030 795,1015 795,920 810,905 C25.1
NetC25_2: C25.2 MAX3232.4 | length 443.8
  Top Layer w10: MAX3232.4 702.64,1222.36 725,1200 725,1065 740,1050 825,1050 845,1030 C25.2
NetC26_2: C26.2 MAX3232.6 | length 292.4
  Top Layer w10: MAX3232.6 663.82,1171.18 679.13,1155.87 679.13,1035.87 730,985 C26.2
NetC35_2: C35.2 U2.5 Y1.2 | length 1530.2
  Top Layer w10: C35.2 840,1840 850,1830 1195,1830 1214.37,1810.63 Y1.2 1214.37,1520.63 1235,1500 1810,1500 1829.21,1480.79 U2.5@1829.21,1348.5
NetC36_2: C36.2 U2.6 Y1.1 | length 1593.5
  Top Layer w10: C36.2 745,1830 765,1810 1120,1810 1135.63,1794.37 Y1.1 1135.63,1514.37 1170,1480 1790,1480 1809.21,1460.79 U2.6
NetC37_1: C37.1 U2.3 Y2.2 | length 1368.4
  Top Layer w10: C37.1 1030,1890 1050,1870 1385,1870 1409.37,1845.63 Y2.2 1409.37,1555.63 1425,1540 1840,1540 1869.21,1510.79 U2.3@1869.21,1348.5
NetC38_1: C38.1 U2.4 Y2.1 | length 1449.3
  Top Layer w10: C38.1 935,1860 945,1850 1310,1850 1330.63,1829.37 Y2.1 1330.63,1544.37 1355,1520 1825,1520 1849.21,1495.79 U2.4@1849.21,1348.5
NetD1_2: D1.2 D2.1 短路.2 | length 791.6
  Bottom Layer w20: 485,1925 485,2155 525,2195 短路.2
  Bottom Layer w50: D1.2 485,1925 D2.1
NetESD2_2: ESD2.2 R9.1 SIMCARD.2 | length 519.6
  Bottom Layer w20: v1(2680,570) 2625,570 2595,540 2595,365 2630,330 R9.1 2740,320 2814.37,320 ESD2.2
NetLED0_1: LED0.1 R1.1 | length 201.7
  Top Layer w20: R1.1 3639.37,2020 LED0.1
NetLED0_2: LED0.2 Q1.3 | length 261.9
  Top Layer w20: Q1.3 3612.5,2277.5 3641,2249 LED0.2
NetLED1_1: LED1.1 R2.1 | length 268.4
  Top Layer w20: R2.1 3615,1670 3641,1696 LED1.1
NetLED1_2: LED1.2 Q2.3 | length 202.7
  Top Layer w20: Q2.3 3632.5,1932.5 3641,1924 LED1.2
NetQ1_1: Q1.1 R13.2 R14.2 | length 186.6
  Top Layer w20: R14.2 R13.2 3472.5,2212.5 Q1.1
NetQ2_1: Q2.1 R3.2 R4.2 | length 183.7
  Top Layer w20: R4.2 R3.2 3477.5,1867.5 Q2.1
NetQ3_1: Q3.1 R6.2 | length 158.7
  Bottom Layer w15: Q3.1 3168.5,2078.5 R6.2
NetQ4_1: Q4.1 R8.2 | length 156.6
  Bottom Layer w15: Q4.1 3333.5,2083.5 R8.2
NetQ5_1: Q5.1 R16.2 | length 156.6
  Bottom Layer w15: Q5.1 2998.5,2083.5 R16.2
NetQ6_1: Q6.1 R18.2 | length 160.8
  Bottom Layer w15: Q6.1 2818.5,2073.5 R18.2
NetR19_1: R19.1 R20.2 TPS5430DDAR.4 | length 314.7
  Top Layer w30: TPS5430DDAR.4 1032.36,317.64 1080,270 R20.2 R19.1
NRST: C40.1 R23.1 S1.1 U2.7 | length 2250
  Top Layer w10: R23.1 720,1700 720,1630 765,1585 970,1585 1000,1555 1000,1485 1025,1460 1775,1460 1789.21,1445.79 U2.7@1789.21,1348.5
  Top Layer w20: S1.1@165,2175 290,2175 325,2140 325,1895 352.44,1867.56 354,1867.56 395,1826.55 395,1825 475,1745 C40.1 R23.1
PA0: U2.14
PA1: U2.15
PA4: U2.20
PA5: U2.21
PA6: P1.5 U2.22 | length 1056.3
  Top Layer w10: v2@1467.5,1212.5 1500.79,1179.21 U2.22
  Bottom Layer w10: v2(1470,1215) 1470,1529.09 1465,1534.09 1710,1779.09 P1.5
PA7: P1.6 U2.23 | length 1210.1
  Top Layer w10: v2(1440,1200) 1480.47,1159.53 U2.23
  Bottom Layer w10: v2(1440,1200) 1440,1534.54 1660,1754.54 1660,2130 P1.6
PA8: U2.41
PA11: U2.44
PA12: U2.45
PB0: P1.3 U2.26 | length 1149
  Top Layer w10: v2(1415,1165) 1440.46,1165 1504.98,1100.47 U2.26
  Bottom Layer w10: v2(1415,1165) 1415,1538.63 1610,1733.63 P1.3
PB1: P1.4 U2.27 | length 1321.7
  Top Layer w10: v2@1385,1130 1450,1130 1499.21,1080.79 U2.27
  Bottom Layer w10: v2(1385,1128.42) 1385,1534.09 1560,1709.09 1560,2130 P1.4
PB5: U2.57
PB8: U2.61
PB9: U2.62
PC2: U2.10
PC3: U2.11
PC4: U2.24
PC5: U2.25
PC6: U2.37
PC7: U2.38
PC12: U2.53
PC13: U2.2
PD2: U2.54
SPI2_MISO: P12.4 U2.35 | length 641.6
  Top Layer w10: P12.4 1555,380 1651.73,476.73 U2.35
SPI2_MOSI: P12.3 U2.36 | length 749.7
  Top Layer w10: P12.3 1605,260 1605,395 1671.42,461.42 U2.36
SPI2_NSS: P12.2 U2.33 | length 666.7
  Top Layer w10: P12.2 1455,350 1612.36,507.36 U2.33
SPI2_SCK: P12.1 U2.34 | length 774.8
  Top Layer w10: P12.1 1505,260 1505,365 1632.05,492.05 U2.34
SWCLK: SWD.3 U2.49 | length 328.5
  Top Layer w10: U2.49 1978.5,831.5 2090,720 SWD.3@2090,700
SWDIO: SWD.2 U2.46 | length 520.6
  Top Layer w10: U2.46 1868.27,831.73 1835,798.46 1835,635 1980,635 2005,660 SWD.2 ; SWD.2@1990,700 SWD.2@1990,710
TDI: U2.50
TDO: U2.55
TRST: U2.56
UART_CTS: C1100.25
UART_DSR: C1100.12 Q6.2 | length 952.6
  Top Layer w10: v1(2350,1785) 2350,1765 2410,1705 v1(2410,1680)
  Bottom Layer w10: C1100.12 2383.74,1413.74 2410,1440 v1(2410,1680) ; v1@2350,1790 2350,1875 2369.13,1894.13 2724.13,1894.13 2743.5,1913.5 Q6.2
UART_DTR: C1100.9 Q5.3 R15.1 | length 1459.4
  Bottom Layer w10: C1100.9 2400.63,1295.63 2440,1335 2440,1711.06 2410.56,1740.5 2409.5,1740.5 2390,1760 2390,1860 2406.13,1876.13 2956.13,1876.13 2963.5,1883.5 Q5.3
  Bottom Layer w15: R15.1 2915,2067.5 Q5.3
UART_RTS: C1100.26
USIM_CLK: C1100.83 R10.2 | length 437.9
  Bottom Layer w20: C1100.83 2574.41,830.59 2660,745 R10.2
USIM_DATA: C1100.84 R11.1 R12.1 | length 755.9
  Bottom Layer w20: C1100.84 2535.04,644.96 2560,620 2840,620 2920,540 R12.1 R11.1
USIM_RES: C1100.85 R9.2 | length 807.3
  Bottom Layer w20: C1100.85 2495.67,334.33 2580,250 R9.2
USIM_VCC: C5.1 C6.1 C1100.86 ESD1.2 R12.2 SIMCARD.1 | length 2143.6
  Bottom Layer w20: C1100.86 2456.3,243.7 2525,175 3170,175 3190,195 3190,295 3171.5,313.5 ESD1.2 3089.37,330 C5.1 C6.1 R12.2 v1(2690,460)
VBAT: C1.1 C2.1 C3.1 C4.1 C1100.1 C1100.2 C1100.3 D2.2 D3.2 E1.2 R1.2 R2.2 短路.1 | length 5591.4
  Top Layer w50: v6(2449.41,1049.41) 2450,1050 3090,1050 3120,1080 3120,1630 3160,1670 3300,1670 ; R2.2 3300,1670 ; R1.2 3360,1950 ; v6(3405,1950) 3360,1950 ; 3300,1670 3280,1690 3280,1940 3290,1950 3360,1950
  Bottom Layer w10: D2.2 D2.2@575,2120
  Bottom Layer w20: C1.1 C1.1@920,2100
  Bottom Layer w30: 1005,2095 短路.1
  Bottom Layer w50: D2.2@575,2120 D3.2 749.57,2120 E1.2 774.57,2095 1005,2095 1120,2095 1135,2110 C3.1 C4.1 1320,2235 1370,2285 3385,2285 3420,2250 3420,1965 v6(3405,1950) ; 2346.06,995 2346.06,1044.45 ; C1100.3@2348.03,1049.41 v6(2449.41,1049.41)
VOUT_1V8: C15.2 C16.2 C1100.13 R5.2 R8.1 R13.1 R15.2 R18.1 | length 2396.5
  Bottom Layer w10: C16.2 2195,1085 2275,1165 2275,1475 ; C1100.13 2296.89,1453.11 2275,1475 ; R18.1 2830,2125 ; 2915,2125.5 R15.2 ; R5.2 3090,2125 ; R8.1 3295,2125 3090,2125 ; 2275,1475 2275,1875 C15.2 2320,1920 2670,1920 2690,1940 2690,2105 2710,2125 2830,2125 ; 2830,2125 3090,2125
  other v5: 3345,2175
pads on no net: C1100.7 C1100.8 C1100.10 C1100.11 C1100.14 C1100.16 C1100.17 C1100.18 C1100.19 C1100.22 C1100.27 C1100.28 C1100.29 C1100.30 C1100.32 C1100.33 C1100.34 C1100.35 C1100.36 C1100.37 C1100.38 C1100.39 C1100.40 C1100.41 C1100.46 C1100.49 C1100.50 C1100.51 C1100.52 C1100.53 C1100.59 C1100.60 C1100.61 C1100.62 C1100.63 C1100.71 C1100.72 C1100.73 C1100.74 C1100.75 C1100.76 C1100.77 C1100.78 C1100.81 C1100.82 MAX3232.11 MAX3232.12 MAX3232.13 MAX3232.14 S1.3 S1.4 SIMCARD.4 SIMCARD.6 SIMCARD.8 TPS5430DDAR.2 TPS5430DDAR.3 TPS5430DDAR.5 U1.4 公头弯针.4 公头弯针.7 公头弯针.8 公头弯针.9 公头弯针.10 公头弯针.11

## Polygon pours and split planes (outlines as drawn)
GND on Top Layer "Bottom Layer-No Net" (solid, remove dead copper, pour order 14): -220,2495 -210,2485 3895,2485 3895,-215 3890,-210 -220,-210
GND on Bottom Layer "Bottom Layer-No Net" (solid, remove dead copper, pour order 16): -245,2550 3945,2550 3950,2555 3950,-195 -205,-195 -245,-155

## Keep-outs
Keep-Out Layer:
  the board outline again, w10

## Silkscreen, mask and mechanical layers (free items; w line width, h text height)
Top Overlay:
  text "RX3" at 1485,2245 h20
  text "PB1" at 1585,2245 h20
  text "PA7" at 1685,2245 h20
  text "RX2" at 1790,2245 h20
  text "AD11" at 1880,2245 h20
  text "I2C_SCL" at 1965,2245 h20
  text "TX3" at 1485,1995 h20
  text "PB0" at 1585,1995 h20
  text "PA6" at 1685,1995 h20
  text "TX2" at 1785,1995 h20
  text "AD10" at 1875,1995 h20
  text "I2C_SDA" at 1965,1995 h20
  text "VER1.0" at 2650,1810 h80
  text "2017.10.18" at 2580,1720 h80
  text "3.3V" at 1865,755 h20
  text "IO" at 1990,755 h20
  text "CLK" at 2075,755 h20
  text "GND" at 2180,755 h20
  text "SPI2_MISO" at 1510,375 h10
  text "TX1" at 1630,375 h20
  text "+12V" at 1725,375 h20
  text "+5V" at 1830,375 h20
  text "+3.3V" at 1910,375 h20
  text "SPI2_NSS" at 1335,330 h15
  text "SPI2_SCK" at 1335,175 h15
  text "SPI2_MOSI" at 1495,130 h15
  text "RX1" at 1635,125 h20
  text "GND" at 1730,125 h20
  text "GND" at 1835,125 h20
  text "GND" at 1935,125 h20
Bottom Overlay:
  lines w10: 0,139.76 3779.53,139.76 ; 0,2246.06 3779.53,2246.06